# Altium PCB Pi4GPU_v2.PcbDoc (part 2 of 4)
Units mm, origin at the board's own origin, x right, y up, seen from the top; angles counter-clockwise.
Board outline 161.8 x 100 mm, 4 copper layers (L1 [TOP], L2, L3, L4 [BOT]), stack 1.548 mm thick; 279 components, 168 nets, 1059 pads, 1072 vias.
Unrouted connection lines stored in the file: 241.
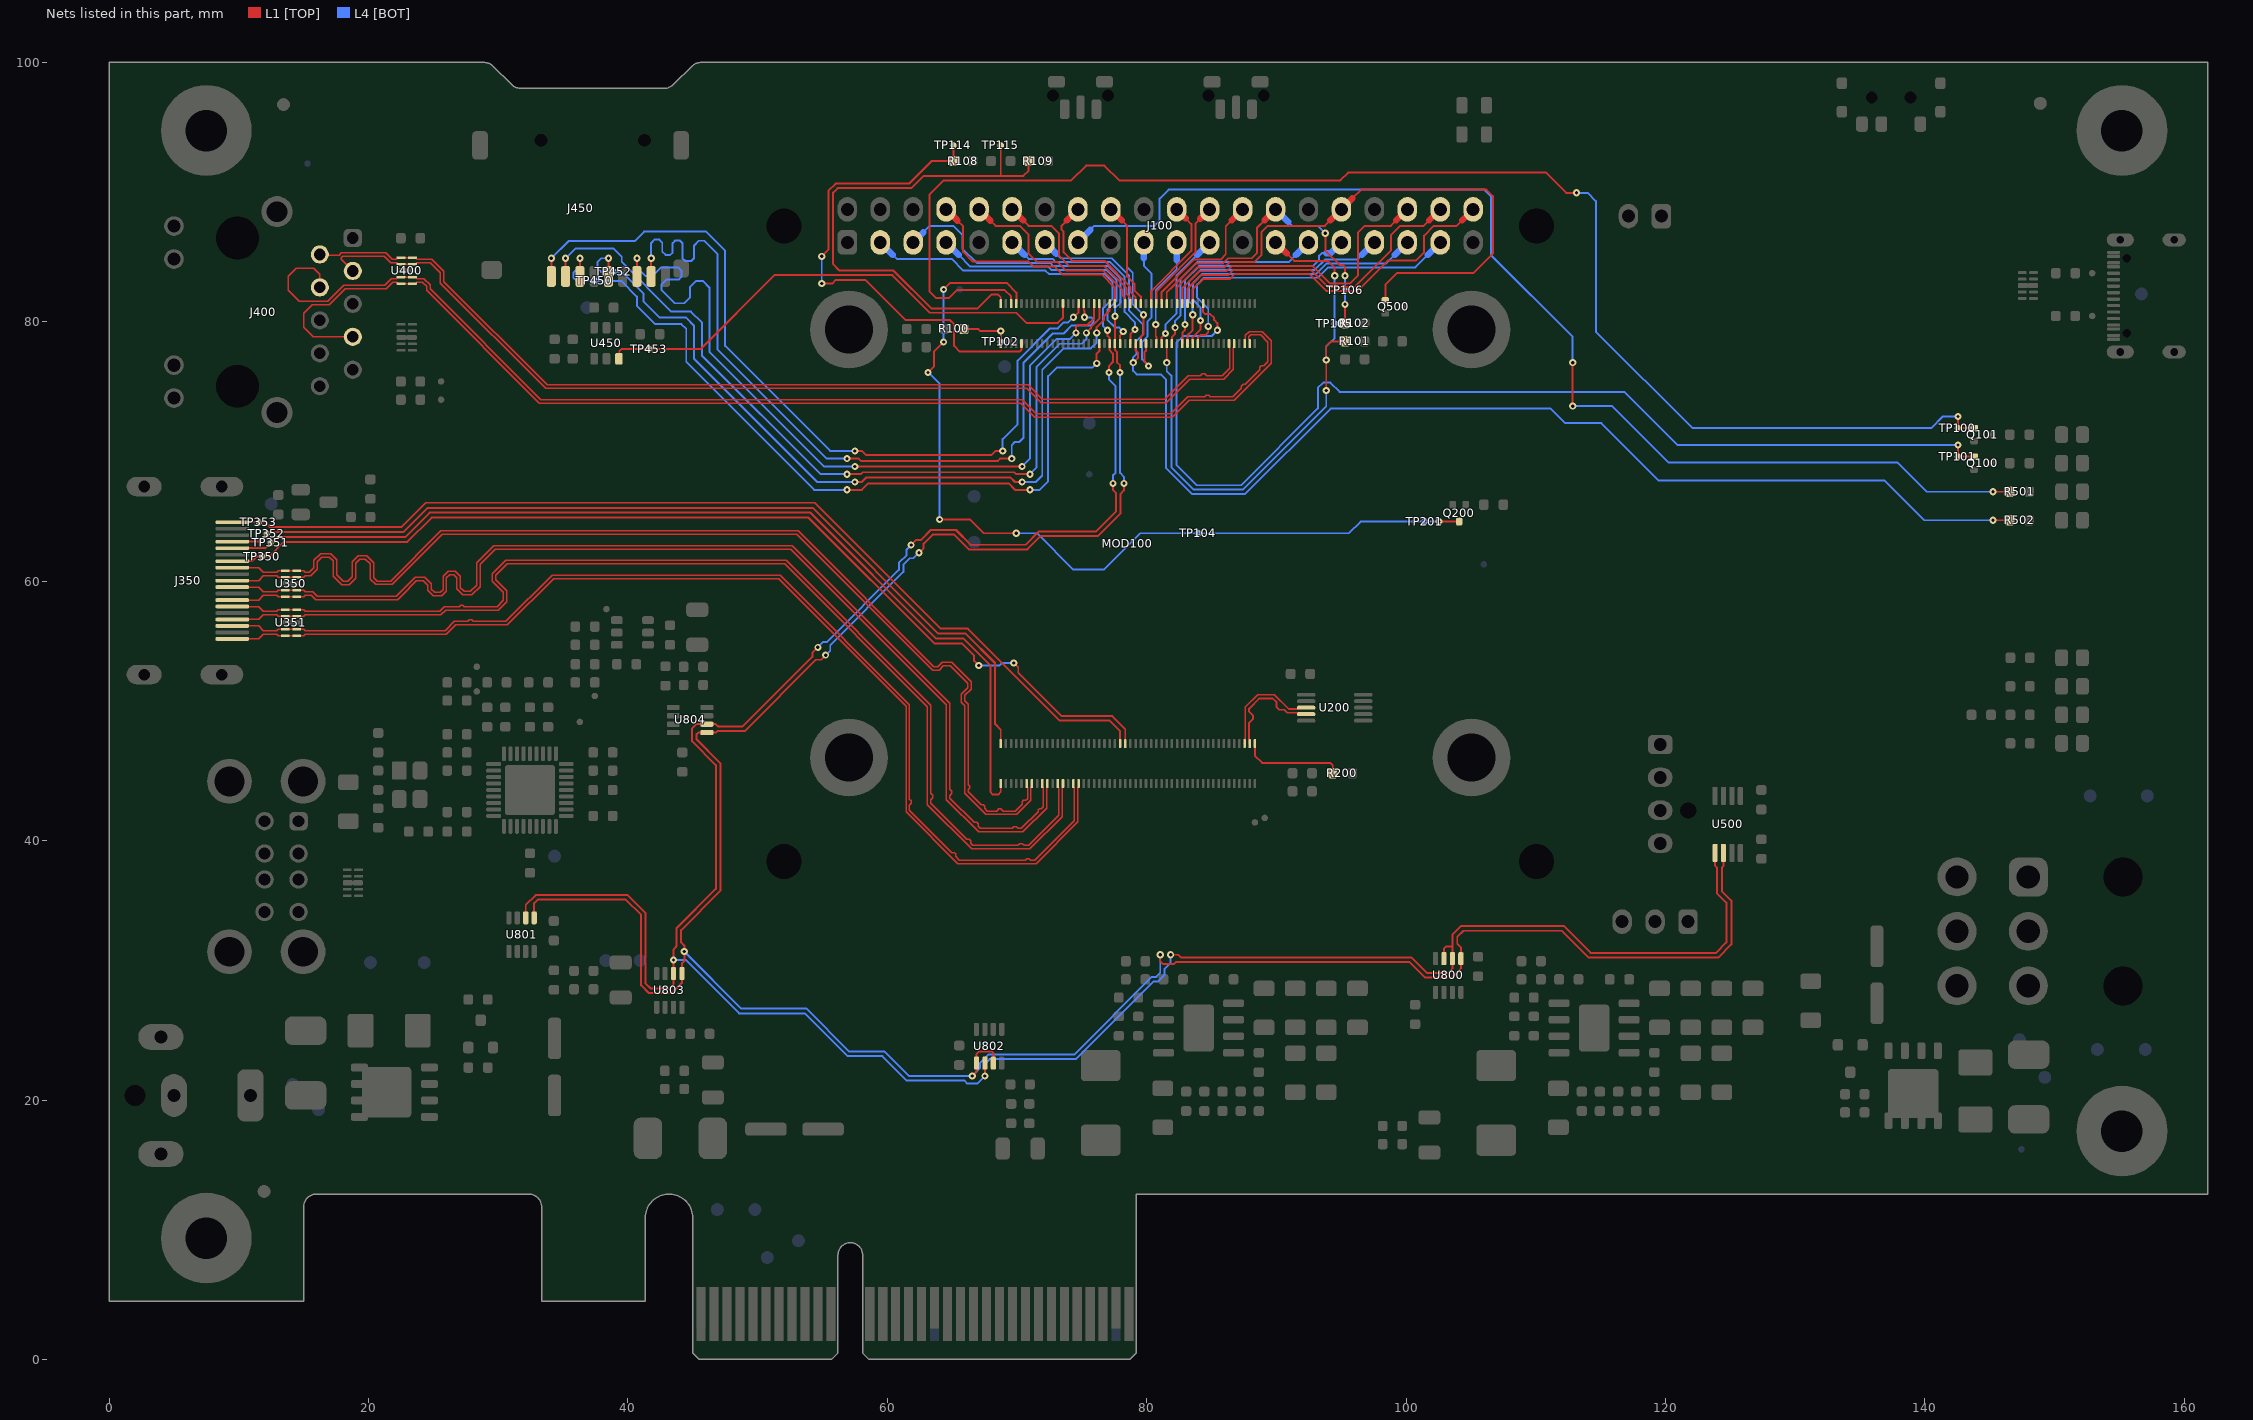
[diagram p4: the nets of this part, all layers, seen from the top]

## Part data (continued)
J100: library part CON_2X20_ROW, "Connector; 2 Row;", Manufacturer=GENERIC, Supplier Part Number 1=C124383, Component Subtype="Pin Header", Component Type=Connector, Mounting Type=THT, MPN=GENERIC, Supplier=?, Supplier 1=LCSC
J101 J102: library part BOM_CON, "BOM list; Connector;", Manufacturer=Hirose, MPN=DF40HC(3.0)-100DS-0.4V, Package (Case)=SMD, Supplier Part Number 1=C424649, Component Subtype=Microminiature, Component Type=Connector, Mounting Type=SMD, Supplier=?, Supplier 1=LCSC
J200: library part CON_USB_TYPE_C_16P, "Connector; USB 3.1 Type C; Receptacle; 24-pin; USB 2.0 Only;", Manufacturer="XKB Connectivity", Package (Case)=SMD, Supplier Part Number 1=C319148, Component Subtype=USB-C, Component Type=Connector, Mounting Type=SMD, MPN=U262-161N-4BVC11, Supplier=?, Supplier 1=LCSC
J250: library part CON-0009, "Connector; USB Type A (Dual); 2 x 4 pins; TBD; TBD; TBD; TBD; THT; THT;", Manufacturer=TBD, Package (Case)=THT, Supplier Part Number 1=C456021, Component Subtype="USB Type A (Dual)", Component Type=Connector, Mounting Type=THT, MPN=TBD, Supplier=?, Supplier 1=LCSC
J300: library part CON_PCIE_64P_VAR2, "Connector; PCIE, x4 (64pin)", Manufacturer=N/A, MPN=N/A
J350: library part CON_HDMI_1.4+_A2, "Connector; HDMI v1.4+;", Manufacturer=BOOMELE, MPN=HDMI-001, Package (Case)=SMD, Supplier Part Number 1=C138388, Component Subtype="HDMI (Type A)", Component Type=Connector, Mounting Type=SMD, Supplier=?, Supplier 1=LCSC
J400: library part CON_HAN_HY911130A, "Connector; RJ45;", Manufacturer=HanRun, Supplier Part Number 1=C55679, Component Subtype=RJ45, Component Type=Connector, Mounting Type=THT, MPN=HY911130A, Supplier=?, Supplier 1=LCSC
J450: library part CON_GCT_MEM2055, "Connector; MicroSD Card Connector;", Manufacturer=TF-015, Package (Case)=SMD, Supplier Part Number 1=C113206, Component Subtype="MicroSD Card", Component Type="Card Socket", Mounting Type=SMD, MPN=TF-015, Supplier=?, Supplier 1=LCSC
J500: library part CON-0020, "Connector; Pin Header; 1 x 2 pins; 2.54mm; Male; TBD; TBD; THT; THT;", Manufacturer=GENERIC, Package (Case)=THT, Supplier Part Number 1=C492401, Component Subtype="Pin Header", Component Type=Connector, Mounting Type=THT, MPN=GENERIC, Supplier=?, Supplier 1=LCSC
J501: library part CON_1X04_COL, "Connector; 1 Row;", Manufacturer=Molex, MPN=470531000, Package (Case)=THT, Supplier Part Number 1=C402779, Component Subtype="Pin header", Component Type=Connector, Mounting Type=THT, Supplier 1=LCSC
J502: library part CON_1X03_COL, "Connector; 1 Row;", Manufacturer=GENERIC, Package (Case)=THT, Supplier Part Number 1=C49257, Component Subtype="Pin Header", Component Type=Connector, Mounting Type=THT, MPN=GENERIC, Supplier=?, Supplier 1=LCSC
J700: library part CON_DC_A1_SH, "Connector; DC Barrel Jack;", Manufacturer="CUI Devices", MPN=PJ-063AH, Package (Case)=THT, Supplier Part Number 1=490-PJ-063AH, Component Subtype="DC Barrel Jack", Component Type=Connector, Mounting Type=THT, Supplier 1=Mouser
J701: library part CON_2X03_COL, "Connector; 2 Row;", Manufacturer=Molex, MPN=039-30-1060, Package (Case)=THT, Supplier Part Number 1=C54904, Component Subtype="Wire to Board", Component Type=Connector, Mounting Type=THT, Supplier 1=LCSC
L750 L751: library part IND, "Inductor;", Manufacturer="Changjiang Microelectronics Tech", MPN=FXL0624-3R3-M, Package (Case)=SMD, Supplier Part Number 1=C524605, Component Subtype="Power Inductor", Component Type=Inductor, Mounting Type=SMD, Supplier=?, Supplier 1=LCSC
LED100 LED500 LED700 LED701 LED750 LED751: library part DIO_LED_GRN, "Diode; LED; Green;", Manufacturer="Foshan NationStar Optoelectronics", MPN=NCD0805G1, Package (Case)="0805 (2012)", Supplier Part Number 1=C84260, Component Subtype="LED Diode", Component Type=LED, Mounting Type=SMD, Supplier=LCSC, Supplier 1=LCSC
LED101 LED501: library part DIO_LED_RED, "Diode; LED; Red;", Manufacturer="Foshan NationStar Optoelectronics", MPN=NCD0805R1, Package (Case)="0805 (2012)", Supplier Part Number 1=C84256, Component Subtype="LED Diode", Component Type=LED, Mounting Type=SMD, Supplier=LCSC, Supplier 1=LCSC
MECH900 MECH901 MECH902 MECH903: library part PCB_MECH_WRT_WA-SMSI, "PCB; Mechanical; SMT Steel Spacer; M2.5;", Manufacturer="Wurth Elektronik", MPN="977 403 015 1", Package (Case)=SMD, Component Subtype="SMD Spacer", Component Type="Spacer (Standoff)", Mounting Type=SMD, Supplier="Wurth Elektronik", Supplier 1="Wurth Elektronik", Supplier Part Number 1="977 403 015 1"
MH900 MH901 MH902 MH903 MH904 MH905 MH906 MH907: library part PCB_MECH_MH, "PCB Marking; Mounting hole;", Component Subtype=-, Component Type="Mounting Hole", Mounting Type=-, Supplier=?
MOD100: library part MOD_RPI_CM4_VAR2, "PCB Module; RPi Compute Module 4;", Manufacturer="Raspberry Pi Foundation", MPN="CM4 Module", Component Subtype="Raspberry Pi CM4", Component Type="PCB Module", Mounting Type=-, Supplier=?, Supplier 1=Farnell
Q100 Q101: library part TRA_BJT_PNP_DIG_ONS_DTA143ZE, "Transistor; BJT; PNP; Digital (Biased);", Manufacturer="On Semiconductor", MPN=DTA143ZET1G, Supplier Part Number 1=C600679, Component Type=Transistor, Mounting Type=SMD, Supplier 1=LCSC
Q200 Q500: library part TRA_BJT_NPN_DIG_BEC, "Transistor; BJT; NPN; Digital;", Supplier Part Number 1=C248787, Component Subtype="NPN Transistor", Component Type=Transistor, Mounting Type=SMD, MPN=DTC143ZE, Supplier=?, Supplier 1=LCSC
Q700 Q703: library part TRA_PMOS_SSSGDDDD_EP, "Transistor; PMOS;", Manufacturer=Vishay, MPN=SI7149ADP-T1-GE3, Package (Case)=PowerPAK-SO-8, Supplier Part Number 1=C554002, Component Subtype=P-MOSFET, Component Type=Transistor, Mounting Type=SMD, Supplier 1=LCSC
R100 R107 R108 R109 R258: library part RES-0026, "Resistor; Thick Film; 100R; 1%; 100mW; 100PPM; 75V; Standard; SMD; 0603 (1608);", Manufacturer="Yageo Corporation", MPN=TBD, Package (Case)="0603 (1608)", Supplier Part Number 1=C22775, Component Subtype="Thick Film", Component Type=Resistor, Mounting Type=SMD, Supplier=?, Supplier 1=LCSC
R101 R102 R104 R106 R502: library part RES-0033, "Resistor; Thick Film; 2k2; 1%; 100mW; 100PPM; 75V; Standard; SMD; 0603 (1608);", Manufacturer="Yageo Corporation", MPN=TBD, Package (Case)="0603 (1608)", Supplier Part Number 1=C22975, Component Subtype="Thick Film", Component Type=Resistor, Mounting Type=SMD, Supplier=?, Supplier 1=LCSC
R103 R252 R253 R254 R255: library part RES-0028, "Resistor; Thick Film; 10k; 1%; 100mW; 100PPM; 75V; Standard; SMD; 0603 (1608);", Manufacturer="Yageo Corporation", MPN=RC0603FR-0710KL, Package (Case)="0603 (1608)", Supplier Part Number 1=C98220, Component Subtype="Thick Film", Component Type=Resistor, Mounting Type=SMD, Supplier=?, Supplier 1=LCSC
R105 R501 R703 R709 R751 R756 R758: library part RES-0043, "Resistor; Thick Film; 15k; 1%; 100mW; 100PPM; 75V; Standard; SMD; 0603 (1608);", Manufacturer="Yageo Corporation", MPN=TBD, Package (Case)="0603 (1608)", Supplier Part Number 1=C22809, Component Subtype="Thick Film", Component Type=Resistor, Mounting Type=SMD, Supplier=?, Supplier 1=LCSC
R200 R203: library part RES-0027, "Resistor; Thick Film; 1k; 1%; 100mW; 100PPM; 75V; Standard; SMD; 0603 (1608);", Manufacturer="Yageo Corporation", MPN=TBD, Package (Case)="0603 (1608)", Supplier Part Number 1=C21190, Component Subtype="Thick Film", Component Type=Resistor, Mounting Type=SMD, Supplier=?, Supplier 1=LCSC
R201 R202: library part RES-0043, "Resistor; Thick Film; 5k1; 1%; 100mW; 100PPM; 75V; Standard; SMD; 0603 (1608);", Manufacturer="Yageo Corporation", MPN=TBD, Package (Case)="0603 (1608)", Supplier Part Number 1=C23186, Component Subtype="Thick Film", Component Type=Resistor, Mounting Type=SMD, Supplier=?, Supplier 1=LCSC
R250: library part RES-0054, "Resistor; Thick Film; GENERIC; TBD; TBD; TBD; TBD; TBD; SMD; 0603 (1608);", Manufacturer=GENERIC, Package (Case)="0603 (1608)", Supplier Part Number 1=C22790, Component Subtype="Thick Film", Component Type=Resistor, Mounting Type=SMD, MPN=GENERIC, Supplier=?, Supplier 1=LCSC
R251: library part RES-0053, "Resistor; Thick Film; 12k; 1%; 100mW; 100PPM; 75V; Standard; SMD; 0603 (1608);", Manufacturer="Yageo Corporation", MPN=TBD, Package (Case)="0603 (1608)", Supplier Part Number 1=C22790, Component Subtype="Thick Film", Component Type=Resistor, Mounting Type=SMD, Supplier=?, Supplier 1=LCSC
R256: library part RES-0050, "Resistor; Thick Film; 1M; 1%; 100mW; 100PPM; 75V; Standard; SMD; 0603 (1608);", Manufacturer="Yageo Corporation", MPN=TBD, Package (Case)="0603 (1608)", Supplier Part Number 1=C22935, Component Subtype="Thick Film", Component Type=Resistor, Mounting Type=SMD, Supplier=?, Supplier 1=LCSC
R257: library part RES-0051, "Resistor; Thick Film; DNP; TBD; TBD; TBD; TBD; DO NOT PLACE; SMD; 0603 (1608);", Manufacturer=TBD, Package (Case)="0603 (1608)", Component Subtype="Thick Film", Component Type=Resistor, Mounting Type=SMD, MPN=TBD, Supplier=?, Supplier 1=LCSC
R300 R301 R503: library part RES-0054, "Resistor; Thick Film; GENERIC; TBD; TBD; TBD; TBD; TBD; SMD; 0603 (1608);", Manufacturer=GENERIC, Package (Case)="0603 (1608)", Component Subtype="Thick Film", Component Type=Resistor, Mounting Type=SMD, MPN=GENERIC, Supplier=?, Supplier 1=LCSC
R350 R450: library part RES-0054, "Resistor; Thick Film; GENERIC; TBD; TBD; TBD; TBD; TBD; SMD; 0603 (1608);", Manufacturer=GENERIC, Package (Case)="0603 (1608)", Supplier Part Number 1=C21189, Component Subtype="Thick Film", Component Type=Resistor, Mounting Type=SMD, MPN=GENERIC, Supplier=?, Supplier 1=LCSC
R400 R401: library part RES-0042, "Resistor; Thick Film; 470R; 1%; 100mW; 100PPM; 75V; Standard; SMD; 0603 (1608);", Manufacturer="Yageo Corporation", MPN=TBD, Package (Case)="0603 (1608)", Supplier Part Number 1=C23179, Component Subtype="Thick Film", Component Type=Resistor, Mounting Type=SMD, Supplier=?, Supplier 1=LCSC
R452: library part RES-0054, "Resistor; Thick Film; GENERIC; TBD; TBD; TBD; TBD; TBD; SMD; 0603 (1608);", Manufacturer=GENERIC, Package (Case)="0603 (1608)", Supplier Part Number 1=C23352, Component Subtype="Thick Film", Component Type=Resistor, Mounting Type=SMD, MPN=GENERIC, Supplier=?, Supplier 1=LCSC
R500: library part RES-0054, "Resistor; Thick Film; GENERIC; TBD; TBD; TBD; TBD; TBD; SMD; 0603 (1608);", Manufacturer=GENERIC, Package (Case)="0603 (1608)", Supplier Part Number 1=C23147, Component Subtype="Thick Film", Component Type=Resistor, Mounting Type=SMD, MPN=GENERIC, Supplier=?, Supplier 1=LCSC
R700 R701: library part RES-0029, "Resistor; Thick Film; 100k; 1%; 100mW; 100PPM; 75V; Standard; SMD; 0603 (1608);", Manufacturer="Yageo Corporation", MPN=TBD, Operating Temperature="-55°C to +155°C", Package (Case)="0603 (1608)", Power Rating=100mW, Supplier Part Number 1=C25803, Tolerance=1%, Voltage Rating=75V, Component Body="1.60 x 0.80mm", Component Height=0.45mm, Component Subtype="Thick Film", Component Type=Resistor, Features=Standard, ID=RES-0029, Mounting Type=SMD, Packaging Type="Tape & Reel", Resistance=100k, ROHS Status="RoHS Compliant", Supplier 1=LCSC, TCR=100PPM
R750 R755: library part RES-0025, "Resistor; Thick Film; 10R; 1%; 100mW; 100PPM; 75V; Standard; SMD; 0603 (1608);", Manufacturer="Yageo Corporation", MPN=TBD, Operating Temperature="-55°C to +155°C", Package (Case)="0603 (1608)", Power Rating=100mW, Supplier Part Number 1=C22859, Tolerance=1%, Voltage Rating=75V, Component Body="1.60 x 0.80mm", Component Height=0.45mm, Component Subtype="Thick Film", Component Type=Resistor, Features=Standard, ID=RES-0025, Mounting Type=SMD, Packaging Type="Tape & Reel", Resistance=10R, ROHS Status="RoHS Compliant", Supplier 1=LCSC, TCR=100PPM
R752: library part RES-0044, "Resistor; Thick Film; 47k; 1%; 100mW; 100PPM; 75V; Standard; SMD; 0603 (1608);", Manufacturer="Yageo Corporation", MPN=RC0603FR-0747KL, Operating Temperature="-55°C to +155°C", Package (Case)="0603 (1608)", Power Rating=100mW, Supplier Part Number 1=C25819, Tolerance=1%, Voltage Rating=75V, Component Body="1.60 x 0.80mm", Component Height=0.45mm, Component Subtype="Thick Film", Component Type=Resistor, Features=Standard, ID=RES-0044, Mounting Type=SMD, Packaging Type="Tape & Reel", Resistance=47k, ROHS Status="RoHS Compliant", Supplier 1=LCSC, TCR=100PPM
R753 R757: library part RES-0053, "Resistor; Thick Film; 12k; 1%; 100mW; 100PPM; 75V; Standard; SMD; 0603 (1608);", Manufacturer="Yageo Corporation", MPN=TBD, Operating Temperature="-55°C to +155°C", Package (Case)="0603 (1608)", Power Rating=100mW, Supplier Part Number 1=C22790, Tolerance=1%, Voltage Rating=75V, Component Body="1.60 x 0.80mm", Component Height=0.45mm, Component Subtype="Thick Film", Component Type=Resistor, Features=Standard, ID=RES-0053, Mounting Type=SMD, Packaging Type="Tape & Reel", Resistance=12k, ROHS Status="RoHS Compliant", Supplier 1=LCSC, TCR=100PPM
R754: library part RES-0054, "Resistor; Thick Film; GENERIC; TBD; TBD; TBD; TBD; TBD; SMD; 0603 (1608);", Manufacturer=GENERIC, Operating Temperature=TBD, Package (Case)="0603 (1608)", Supplier Part Number 1=C22809, Component Body="1.60 x 0.80mm", Component Height=TBD, Component Subtype="Thick Film", Component Type=Resistor, Features=TBD, ID=RES-0054, Mounting Type=SMD, MPN=GENERIC, Packaging Type=TBD, Power Rating=TBD, Resistance=15k, ROHS Status=TBD, Supplier 1=LCSC, TCR=TBD, Tolerance=TBD, Voltage Rating=TBD
R759: library part RES-0054, "Resistor; Thick Film; GENERIC; TBD; TBD; TBD; TBD; TBD; SMD; 0603 (1608);", Manufacturer=GENERIC, Operating Temperature=TBD, Package (Case)="0603 (1608)", Supplier Part Number 1=C4184, Component Body="1.60 x 0.80mm", Component Height=TBD, Component Subtype="Thick Film", Component Type=Resistor, Features=TBD, ID=RES-0054, Mounting Type=SMD, MPN=GENERIC, Packaging Type=TBD, Power Rating=TBD, Resistance=20k, ROHS Status=TBD, Supplier 1=LCSC, TCR=TBD, Tolerance=TBD, Voltage Rating=TBD
R760: library part RES-0033, "Resistor; Thick Film; 2k26; 1%; 100mW; 100PPM; 75V; Standard; SMD; 0603 (1608);", Manufacturer="Yageo Corporation", MPN=TBD, Operating Temperature="-55°C to +155°C", Package (Case)="0603 (1608)", Power Rating=100mW, Supplier Part Number 1=C22904, Tolerance=1%, Voltage Rating=75V, Component Body="1.60 x 0.80mm", Component Height=0.45mm, Component Subtype="Thick Film", Component Type=Resistor, Features=Standard, ID=RES-0033, Mounting Type=SMD, Packaging Type="Tape & Reel", Resistance=2k26, ROHS Status="RoHS Compliant", Supplier 1=LCSC, TCR=100PPM
R800 R806 R812: library part RES-0060, "Resistor; Thick Film; GENERIC; TBD; TBD; TBD; TBD; TBD; SMD; 1206 (3216);", Manufacturer=GENERIC, Operating Temperature=TBD, Package (Case)="1206 (3216)", Supplier Part Number 1=C723448, Tolerance=1%, Component Body=TBD, Component Height=TBD, Component Subtype="Thick Film", Component Type=Resistor, Features=TBD, ID=RES-0060, Mounting Type=SMD, MPN=GENERIC, Packaging Type=TBD, Power Rating=TBD, Resistance=0.012R, ROHS Status=TBD, Supplier 1=LCSC, TCR=TBD, Voltage Rating=TBD
R801: library part RES-0060, "Resistor; Thick Film; GENERIC; TBD; TBD; TBD; TBD; TBD; SMD; 1206 (3216);", Manufacturer=GENERIC, Operating Temperature=TBD, Package (Case)="1206 (3216)", Supplier Part Number 1=C2904218, Tolerance=1%, Component Body=TBD, Component Height=TBD, Component Subtype="Thick Film", Component Type=Resistor, Features=TBD, ID=RES-0060, Mounting Type=SMD, MPN=GENERIC, Packaging Type=TBD, Power Rating=TBD, Resistance=0.016R, ROHS Status=TBD, Supplier 1=LCSC, TCR=TBD, Voltage Rating=TBD
R802 R803 R804 R805 R808 R809 R810 R811 R813 R814: library part RES-0052, "Resistor; Thick Film; 0R; 1%; TBD; TBD; TBD; Standard; SMD; 0603 (1608);", Manufacturer=TBD, Package (Case)="0603 (1608)", Supplier Part Number 1=C21189, Tolerance=1%, Component Body="1.60 x 0.80mm", Component Height=0.45mm, Component Subtype="Thick Film", Component Type=Resistor, Features=Standard, ID=RES-0052, Mounting Type=SMD, MPN=TBD, Operating Temperature=TBD, Packaging Type=TBD, Power Rating=TBD, Resistance=0R, ROHS Status=TBD, Supplier 1=LCSC, TCR=TBD, Voltage Rating=TBD
R807: library part RES-0060, "Resistor; Thick Film; GENERIC; TBD; TBD; TBD; TBD; TBD; SMD; 1206 (3216);", Manufacturer=GENERIC, Operating Temperature=TBD, Package (Case)="1206 (3216)", Supplier Part Number 1=C5120913, Tolerance=1%, Component Body=TBD, Component Height=TBD, Component Subtype="Thick Film", Component Type=Resistor, Features=TBD, ID=RES-0060, Mounting Type=SMD, MPN=GENERIC, Packaging Type=TBD, Power Rating=TBD, Resistance=0.004R, ROHS Status=TBD, Supplier 1=LCSC, TCR=TBD, Voltage Rating=TBD
R900 R901: library part RES-0047, "Resistor; Thick Film; 0R; 1%; TBD; TBD; TBD; Standard; SMD; 0805 (2012);", Manufacturer=TBD, Package (Case)="0805 (2012)", Supplier Part Number 1=C17477, Tolerance=1%, Component Body=TBD, Component Height=TBD, Component Subtype="Thick Film", Component Type=Resistor, Features=Standard, ID=RES-0047, Mounting Type=SMD, MPN=TBD, Operating Temperature=TBD, Packaging Type=TBD, Power Rating=TBD, Resistance=0R, ROHS Status=TBD, Supplier 1=LCSC, TCR=TBD, Voltage Rating=TBD
SW100 SW101: library part SWI_TACT_3P_ABA_SH, "Switch; Tactile; Monostable;", Manufacturer="Wurth Elektronik", MPN="436 333 033 816", Operating Temperature="-40°C to +85°C", Package (Case)=SMD, Supplier Part Number 1=C110293, Component Type=Switch, Mounting Type=SMD, Specification="Tactile switch, WS-TASU series, 50mA/12VDC, 160g, SPST, 4.5x3.4mm, SMD package", Supplier 1=LCSC
SW200: library part SWI_SPDT_3P_SH1, "Switch; SPDT;", Manufacturer="XKB Connectivity", MPN=SS-3292S-L1, Package (Case)=SMD, Supplier Part Number 1=C397350, Component Subtype=Slide, Component Type=Switch, Mounting Type=SMD, Supplier=LCSC, Supplier 1=LCSC
TP100 TP101 TP102 TP103 TP104 TP105 TP106 TP107 TP108 TP109 TP110 TP111 TP114 TP115 TP200 TP201 TP202 TP203 TP250 TP251 TP252 TP253 TP300 TP301 TP350 TP351 TP352 TP353 TP400 TP401 TP450 TP452 TP453: library part PCB_TP_DBG, "PCB Marking; Test Point (Debug);", Component Subtype=-, Component Type=Testpoint, Mounting Type=-, Supplier=?
TP112 TP113 TP204 TP254 TP354 TP451 TP700 TP701 TP702 TP703 TP704 TP705 TP706 TP707 TP708 TP709 TP710 TP711 TP750 TP751 TP752 TP753 TP754 TP755: library part PCB_TP_ICT, "Test Point (ICT)", Manufacturer=-, Component Type="Testpoint (for ICT)", Mounting Type="Non component", MPN=-, Specification="Testpoint (for ICT), SMD pad"
U200: library part ICC-0013, "IC; USB Switch; TBD TBD; SMD; MSOP-10;", Manufacturer="ON Semiconductor", MPN=FSUSB42MUX, Package (Case)=MSOP-10, Supplier Part Number 1=C255478, Component Subtype="USB Switch", Component Type=IC, Mounting Type=SMD, Supplier=?, Supplier 1=LCSC
U201 U252 U350 U351 U400 U401: library part ICC-0005, "IC; TVS Arrays; ESD Protection; 4-Channel; 17kV Air; 12kV Contact; 0.3pF Capitance; TBD; SMD; TBD;", Manufacturer="Semtech Corporation", MPN=RCLAMP0524PATCT, Package (Case)=TBD, Supplier Part Number 1=C40960, Component Subtype="TVS Arrays", Component Type=IC, Mounting Type=SMD, Supplier=?, Supplier 1=LCSC
U250 U450: library part ICC_TXI_TPS25221_DBV, "IC; Current Limited Switch;", Manufacturer="Diodes Incorporated", Package (Case)=SOT26, Supplier Part Number 1=C212302, Component Subtype="Current Limited Switch", Component Type=IC, Mounting Type=SMD, MPN=AP2553W6-7, Supplier=?, Supplier 1=LCSC
U251: library part ICC_MCP_USB2512B_QFN36, "IC; USB Hub;", Manufacturer="Microchip Technology", Supplier Part Number 1=C626658, Component Subtype="USB Hub", Component Type=IC, Mounting Type=SMD, MPN=USB2512B, Supplier=?, Supplier 1=LCSC
U352: library part ICC-0008, "IC; Power Switcher; TBD TBD; SMD; SC59;", Manufacturer="Diodes Incorporated", MPN=AP2331W-7, Package (Case)=SC59, Supplier Part Number 1=C460346, Component Subtype="Power Switcher", Component Type=IC, Mounting Type=SMD, Supplier=?, Supplier 1=LCSC
U500: library part ICC_MCP_EMC2301_MSOP-8, "IC; Fan controller;", Manufacturer="Microchip Technology", MPN=EMC2301-1-ACZL-TR, Package (Case)=MSOP-8, Supplier Part Number 1=C148036, Component Subtype="Fan controller", Component Type=IC, Mounting Type=SMD, Supplier 1=LCSC
U750 U751: library part ICC_DDI_AP64501_SO8_EP, "IC; Buck regulator;", Manufacturer="Diodes Incorporated", Operating Temperature="-40°C to +85°C", Package=SOIC8, Supplier Part Number 1=C2071517, Component Type=IC, Mounting Type=SMD, MPN=AP64501SP-13, Specification="Synchronous step-down DC-DC converter, 3.8V to 40V input, 5A, 570kHz, SOIC8 package", Supplier 1=LCSC
U800 U801 U802 U803 U804: library part ICC_TXI_INA219_SOT23-8, "IC; Current Monitor;", Manufacturer="Texas Instruments", Operating Temperature="-40°C to +85°C", Package=SOT-23-8, Supplier Part Number 1=C87469, Component Subtype="Current monitor", Component Type=IC, Mounting Type=SMD, MPN=INA219AIDCNR, Specification="Bidirectional Current/Power Monitor, I2C, SOT-23-8 package", Supplier 1=LCSC
X250: library part OSC_XTL_P4, "Oscillator; Crystal;", Supplier Part Number 1=C5261153, Component Subtype=Crystal, Component Type=Crystal, Mounting Type=SMD, Supplier=?, Supplier 1=LCSC
PCB900: Component Subtype=-, Component Type="PCB Marking", Mounting Type=-, Supplier=?

## Via types
v1: diameter 0.55, hole 0.25, L1 [TOP] to L4 [BOT], 760 vias
v2: diameter 0.65, hole 0.3, L1 [TOP] to L4 [BOT], 142 vias
v3: diameter 0.5, hole 0.2, L1 [TOP] to L4 [BOT], 138 vias
v4: diameter 1, hole 0.5, L1 [TOP] to L4 [BOT], 32 vias
